# KiCad board kup-lulz.kicad_pcb (continued)
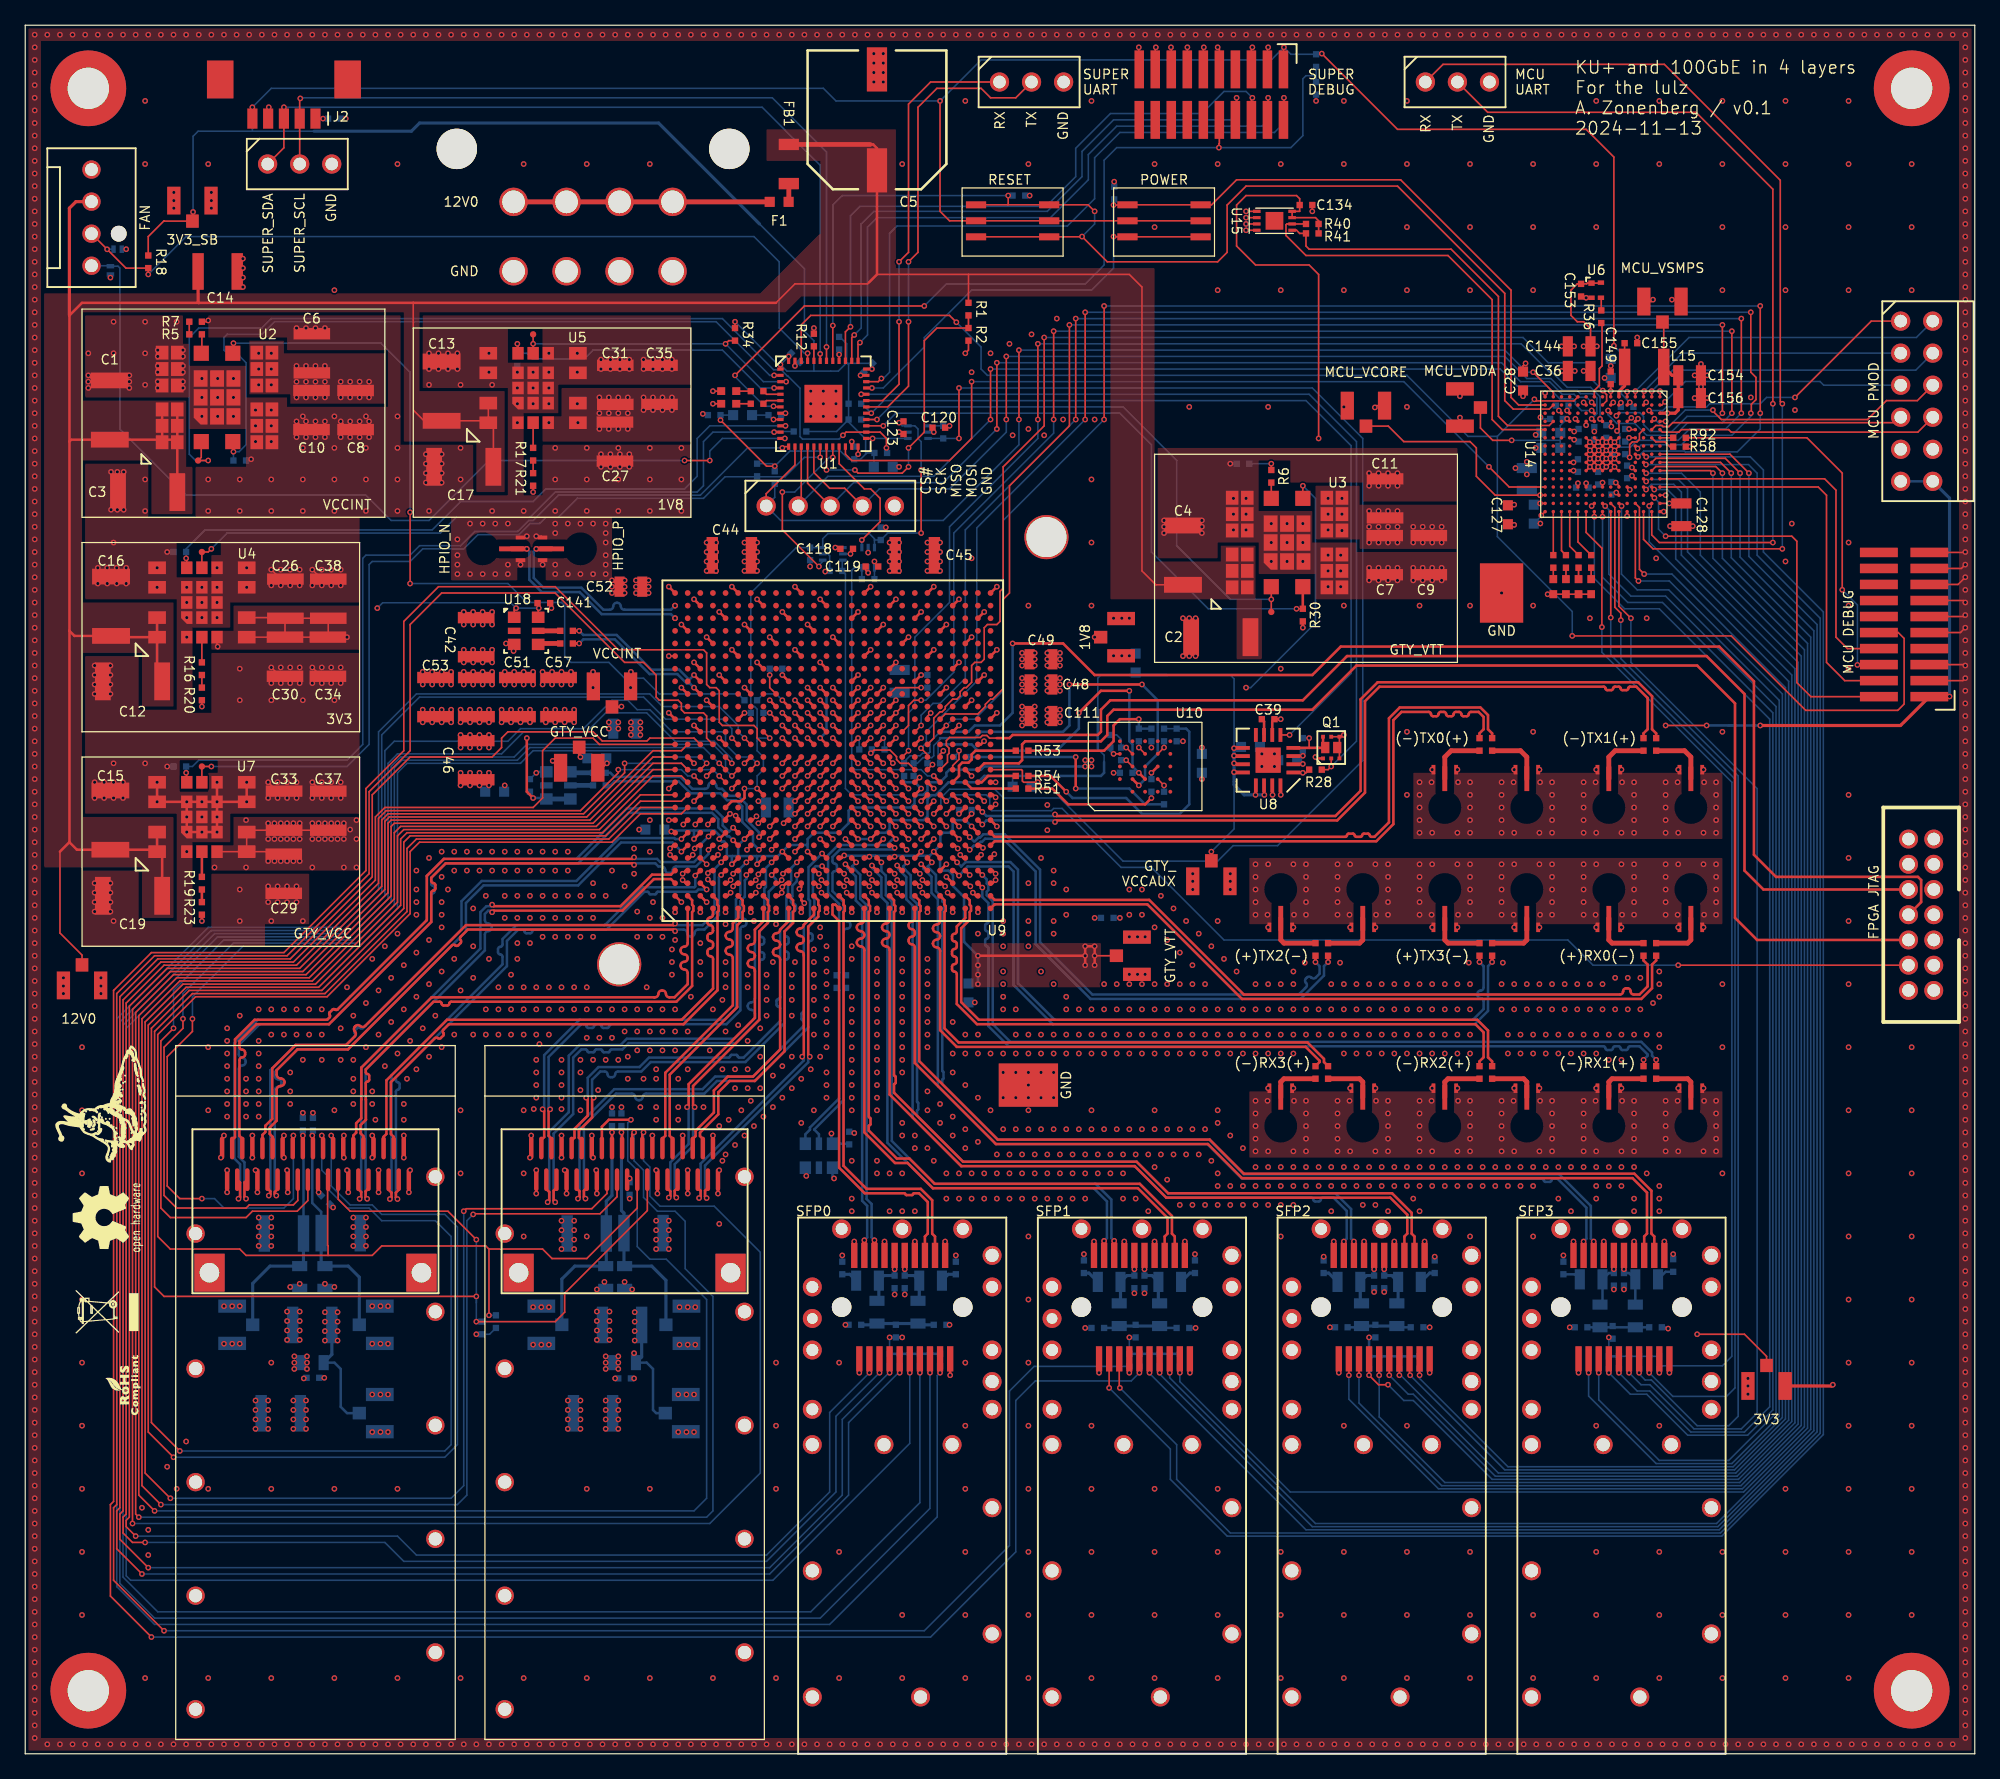
[diagram p0: board, top side]
## Routing (per net, layer and track width the routed paths; a pad name or vN(x,y) marks a point on that pad's centre or on a via; arc(x,y) is an arc through that point) (continued)
  Top w0.25: J33.15 v1(126.7,38.4)
  Bottom w0.2: L13.1 C114.1 127.1,38.1 C116.1
/SFP28 interfaces/SFP3_VDD_TX: length 4.2
  Top w0.25: J33.16 v1(125.9,38.4)
  Bottom w0.2: C117.1 125.5,38.1 C115.1 125,35.6
/SMPM ports/K_RX_0_N: length 58.7
  Top w0.2: C95.2 129.25,62.87 128.93,62.55 128.93,60.68 128.07,59.83 96.43,59.83 88.93,67.33 76.83,67.33 U9.AF1
/SMPM ports/K_RX_0_P: length 58.7
  Top w0.2: C96.2 128.25,62.87 128.57,62.55 128.57,60.82 127.93,60.17 127.47,60.17 arc(127.3,60.25) 127.23,60.42 127.23,60.43 arc(127.16,60.6) 126.99,60.67 126.87,60.67 arc(126.7,60.6) 126.63,60.43 126.63,60.42 arc(126.56,60.25) 126.39,60.17 96.57,60.17 89.07,67.67 76.83,67.67 U9.AF2
/SMPM ports/K_RX_1_N: length 67.2
  Top w0.2: U9.AE3 v1(75.85,68.65) ; C98.2 v1(128.25,55)
  Bottom w0.2: v1(75.85,68.65) 75.85,67.9 76.33,67.43 76.33,65.92 arc(76.29,65.84) 76.2,65.8 arc(76.11,65.76) 76.08,65.67 76.08,65.33 arc(76.11,65.24) 76.2,65.2 arc(76.29,65.16) 76.33,65.08 76.33,64.72 arc(76.29,64.64) 76.2,64.6 arc(76.11,64.56) 76.08,64.47 76.08,64.12 arc(76.11,64.04) 76.2,64 arc(76.29,63.96) 76.33,63.88 76.33,57.68 77.93,56.08 125.08,56.08 arc(125.18,56.03) 125.23,55.93 arc(125.27,55.82) 125.38,55.78 125.68,55.78 arc(125.78,55.82) 125.83,55.93 arc(125.87,56.03) 125.97,56.08 126.28,56.08 arc(126.38,56.03) 126.43,55.93 arc(126.47,55.82) 126.57,55.78 126.88,55.78 arc(126.98,55.82) 127.03,55.93 arc(127.07,56.03) 127.18,56.08 127.93,56.08 128.57,55.43 128.57,55.33 v1(128.25,55)
/SMPM ports/K_RX_1_P: length 67.2
  Top w0.2: U9.AE4 v1(75.85,69.65) ; C97.2 v1(129.25,55)
  Bottom w0.2: v1(75.85,69.65) 76.2,69.3 76.2,68.97 76.33,68.85 76.33,68.45 76.2,68.33 76.2,68.05 76.67,67.57 76.67,57.82 78.07,56.42 128.07,56.42 128.93,55.57 128.93,55.33 v1(129.25,55)
/SMPM ports/K_RX_2_N: length 54.6
  Top w0.2: C100.2 115.25,54.88 115.57,55.2 115.57,57.18 114.93,57.83 75.43,57.83 73.83,59.43 73.83,61.8 arc(73.77,61.93) 73.64,61.99 arc(73.5,62.04) 73.45,62.17 73.45,62.4 arc(73.5,62.53) 73.64,62.59 arc(73.77,62.64) 73.83,62.78 73.83,63 arc(73.77,63.13) 73.64,63.19 arc(73.5,63.24) 73.45,63.38 73.45,63.6 arc(73.5,63.73) 73.64,63.79 arc(73.77,63.84) 73.83,63.97 73.83,64.2 arc(73.77,64.33) 73.64,64.39 arc(73.5,64.44) 73.45,64.58 73.45,64.8 arc(73.5,64.93) 73.64,64.99 arc(73.77,65.04) 73.83,65.17 73.83,65.57 74.5,66.25 U9.AD1
/SMPM ports/K_RX_2_P: length 54.6
  Top w0.2: C99.2 116.25,54.88 115.93,55.2 115.93,57.32 115.07,58.17 75.57,58.17 74.17,59.57 74.17,65.43 74.85,66.1 74.85,66.71 74.95,66.81 74.95,67.19 74.85,67.29 74.85,67.65 U9.AD2
/SMPM ports/K_RX_3_N: length 42.6
  Top w0.2: C102.2 102.58,54.83 102.58,54.93 101.48,56.03 73.83,56.03 72.5,57.35 72.5,63.64 arc(72.42,63.84) 72.22,63.92 arc(72.02,64) 71.94,64.2 71.94,64.24 arc(72.02,64.44) 72.22,64.52 arc(72.42,64.6) 72.5,64.8 72.5,64.84 arc(72.42,65.04) 72.22,65.12 arc(72.02,65.2) 71.94,65.4 71.94,65.44 arc(72.02,65.64) 72.22,65.72 arc(72.42,65.8) 72.5,66 U9.AB1
/SMPM ports/K_RX_3_P: length 42.5
  Top w0.2: U9.AB2 72.85,67.65 72.85,67.29 72.95,67.19 72.95,66.81 72.85,66.71 72.85,57.5 73.97,56.38 101.62,56.38 102.92,55.07 102.92,54.83 C101.2
/SMPM ports/K_TX_0_N: length 51.4
  Top w0.2: U9.AF6 76.83,72.33 107.07,72.33 108.43,73.68 108.43,81.93 109.07,82.58 111.23,82.58 arc(111.35,82.52) 111.4,82.4 arc(111.45,82.28) 111.57,82.23 111.83,82.23 arc(111.95,82.28) 112,82.4 arc(112.05,82.52) 112.18,82.58 112.43,82.58 arc(112.55,82.52) 112.6,82.4 arc(112.65,82.28) 112.78,82.23 113.03,82.23 arc(113.15,82.28) 113.2,82.4 arc(113.25,82.52) 113.38,82.58 113.63,82.58 arc(113.75,82.52) 113.8,82.4 arc(113.85,82.28) 113.97,82.23 114.23,82.23 arc(114.35,82.28) 114.4,82.4 arc(114.45,82.52) 114.57,82.58 115.18,82.58 115.57,82.18 115.57,81.2 115.25,80.88 C103.2
/SMPM ports/K_TX_0_P: length 51.4
  Top w0.2: C104.2 116.25,80.88 115.93,81.2 115.93,82.32 115.32,82.92 108.93,82.92 108.07,82.07 108.07,73.82 106.93,72.67 106.67,72.67 arc(106.59,72.71) 106.55,72.8 arc(106.51,72.89) 106.42,72.92 106.08,72.92 arc(105.99,72.89) 105.95,72.8 arc(105.91,72.71) 105.83,72.67 105.47,72.67 arc(105.39,72.71) 105.35,72.8 arc(105.31,72.89) 105.22,72.92 104.88,72.92 arc(104.79,72.89) 104.75,72.8 arc(104.71,72.71) 104.62,72.67 76.83,72.67 U9.AF7
/SMPM ports/K_TX_1_N: length 66.4
  Top w0.2: U9.AE8 v1(75.85,73.65) ; v1(81.61,73.85) 81.73,73.97 103.97,73.97 106.17,76.18 106.17,83.43 107.32,84.58 125.1,84.58 arc(125.2,84.53) 125.24,84.44 arc(125.28,84.34) 125.38,84.3 125.7,84.3 arc(125.8,84.34) 125.84,84.44 arc(125.88,84.53) 125.97,84.58 126.3,84.58 arc(126.4,84.53) 126.44,84.44 arc(126.48,84.34) 126.57,84.3 126.9,84.3 arc(127,84.34) 127.04,84.44 arc(127.08,84.53) 127.18,84.58 127.68,84.58 128.57,83.68 128.57,81.2 128.25,80.88 C105.2
  Bottom w0.2: v1(75.85,73.65) 76.17,73.97 81.48,73.97 v1(81.61,73.85)
/SMPM ports/K_TX_1_P: length 66.4
  Top w0.2: v1(81.61,74.45) 81.73,74.33 103.83,74.33 105.83,76.32 105.83,83.57 107.18,84.92 127.82,84.92 128.93,83.82 128.93,81.2 129.25,80.88 C106.2 ; U9.AE9 v1(75.85,74.65)
  Bottom w0.2: v1(81.61,74.45) 81.48,74.33 76.17,74.33 v1(75.85,74.65)
/SMPM ports/K_TX_2_N: length 40
  Top w0.2: C107.2 v1(103.25,62.75) ; U9.AD6 v1(74.85,71.65)
  Bottom w0.2: v1(74.85,71.65) 75.17,71.97 75.4,71.97 75.7,72.28 75.82,72.28 76.07,72.53 77.48,72.53 80.08,69.93 80.08,64.18 84.43,59.83 101.07,59.83 102.92,61.68 102.92,62.42 v1(103.25,62.75)
/SMPM ports/K_TX_2_P: length 40
  Top w0.2: C108.2 v1(102.25,62.75) ; U9.AD7 v1(74.85,72.65)
  Bottom w0.2: v1(74.85,72.65) 75.17,72.33 75.26,72.33 75.56,72.62 75.68,72.62 75.93,72.88 77.62,72.88 80.42,70.07 80.42,64.32 84.57,60.17 100.93,60.17 101.5,60.75 arc(101.57,60.92) 101.5,61.09 101.49,61.1 arc(101.42,61.27) 101.49,61.44 101.58,61.53 arc(101.75,61.6) 101.92,61.53 101.93,61.52 arc(102.1,61.45) 102.27,61.52 102.58,61.82 102.58,62.42 v1(102.25,62.75)
/SMPM ports/K_TX_3_N: length 58.2
  Top w0.2: 73.6,70 v1(74,69.6)
  Top w0.25: C109.2 v1(116.25,62.75)
  Bottom w0.2: v1(116.25,62.75) 115.93,62.42 115.93,58.88 114.87,57.83 81.43,57.83 78.33,60.93 78.33,69.93 77.93,70.33 74.67,70.33 74.32,69.97 74.32,69.92 v1(74,69.6)
/SMPM ports/K_TX_3_P: length 58.2
  Top w0.2: U9.AC5 v1(73.85,70.65)
  Top w0.25: C110.2 v1(115.25,62.75)
  Bottom w0.2: v1(73.85,70.65) 74.17,70.33 74.18,70.33 74.53,70.67 78.07,70.67 78.67,70.07 78.67,61.07 81.57,58.17 114.73,58.17 115.57,59.02 115.57,59.65 arc(115.5,59.82) 115.34,59.89 115.33,59.89 arc(115.16,59.96) 115.09,60.13 115.09,60.25 arc(115.16,60.42) 115.33,60.49 115.34,60.49 arc(115.5,60.56) 115.57,60.73 115.57,62.42 v1(115.25,62.75)
Net-(C63-Pad2): length 1.4
  Bottom w0.25: C63.2 111.3,38.1 R63.2
Net-(C64-Pad2): length 1.4
  Bottom w0.25: C64.2 103.3,38.1 R64.2
Net-(C69-Pad2): length 1.4
  Bottom w0.25: C69.2 92.3,38.1 R70.2
Net-(C70-Pad2): length 1.4
  Bottom w0.25: C70.2 84.3,38.1 R71.2
Net-(C75-Pad2): length 1.3
  Bottom w0.25: R77.2 73.15,38 C75.2
Net-(C76-Pad2): length 1.3
  Bottom w0.25: R78.2 65.35,38 C76.2
Net-(C114-Pad2): length 1.4
  Bottom w0.2: C114.2 130,38.2 R85.2
Net-(C115-Pad2): length 1.5
  Bottom w0.2: C115.2 122.8,38 R86.2
Net-(D1-A): length 1
  Top w0.125: R13.1 56.5,108
Net-(D2-A): length 1.2
  Top w0.125: R14.1 D2.2
Net-(D5-A): length 0.9
  Top w0.125: R59.2 D5.2
Net-(D6-A): length 0.9
  Top w0.125: R93.2 D6.2
Net-(D7-A): length 0.9
  Top w0.125: R98.2 D7.2
Net-(D8-A): length 0.9
  Top w0.125: R99.2 D8.2
Net-(F1-Pad2): length 1.4
  Top w0.38: FB1.1 60.51,123.01
Net-(J1-12V0_SENSE): length 20.3
  Top w0.38: J1.1 F1.1
Net-(J5-P2): length 5.1
  Top w0.125: U9.Y12 70,78.5 69.35,78.5 69.05,78.8 69.05,79.03 68.53,79.55 67.26,79.55 v1(67.01,79.3)
  Bottom w0.125: v1(67.01,79.3) 67.1,79.39 J5.2 67.1,79.22
Net-(J17-In): length 4.6
  Top w0.38: J17.1 132,64.5 131.75,64.25 C95.1
Net-(J18-In): length 4.6
  Top w0.38: C96.1 125.75,64.25 125.5,64.5 J18.1
Net-(J19-In): length 4.1
  Top w0.38: J19.1 132,53.25 131.75,53.5 C97.1
Net-(J20-In): length 4.1
  Top w0.38: J20.1 125.5,53.25 125.75,53.5 C98.1
Net-(J21-In): length 4.1
  Top w0.38: C99.1 118.75,53.5 119,53.25 J21.1
Net-(J22-In): length 4.1
  Top w0.38: J22.1 112.5,53.25 112.75,53.5 C100.1
Net-(J23-In): length 4.1
  Top w0.38: J23.1 106,53.25 105.75,53.5 C101.1
Net-(J24-In): length 4.1
  Top w0.38: J24.1 99.5,53.25 99.75,53.5 C102.1
Net-(J25-In): length 4.7
  Top w0.38: C103.1 113,79.5 112.5,79 J25.1
Net-(J26-In): length 4.7
  Top w0.38: J26.1 119,79 118.5,79.5 C104.1
Net-(J27-In): length 4.7
  Top w0.38: J27.1 125.5,79 126,79.5 C105.1
Net-(J28-In): length 4.7
  Top w0.38: C106.1 131.5,79.5 132,79 J28.1
Net-(J29-In): length 4.6
  Top w0.38: C107.1 105.75,64.25 106,64.5 J29.1
Net-(J30-In): length 4.6
  Top w0.38: J30.1 99.5,64.5 99.75,64.25 C108.1
Net-(J31-In): length 4.6
  Top w0.38: C109.1 118.75,64.25 119,64.5 J31.1
Net-(J32-In): length 4.6
  Top w0.38: C110.1 112.75,64.25 112.5,64.5 J32.1
Net-(R5-Pad2): length 1
  Top w0.125: R7.2 R5.2
Net-(R6-Pad2): length 2.2
  Top w0.125: v1(98.75,102.25) R6.2
  Bottom w0.125: R8.2 v1(98.75,102.25)
Net-(R16-Pad2): length 1
  Top w0.125: R16.2 R20.2
Net-(R17-Pad2): length 1
  Top w0.125: R17.2 R21.2
Net-(R19-Pad2): length 1
  Top w0.2: R19.2 R23.2
Net-(U2-TRIM): length 1.5
  Top w0.125: R5.1 14,111.05
Net-(U3-TRIM): length 1.2
  Top w0.125: R6.1 U3.22
Net-(U4-TRIM): length 2
  Top w0.125: U4.4 R16.1
Net-(U5-TRIM): length 2
  Top w0.125: U5.4 R17.1
Net-(U6-CLK): length 1
  Top w0.125: R36.2 124.9,115.38
Net-(U7-TRIM): length 2
  Top w0.2: U7.4 R19.1
Net-(U8-SS): length 1.3
  Top w0.2: U8.7 98.17,81.83 C39.1
Net-(U9A-CCLK_0): length 0.8
  Top w0.2: U9.Y11 v1(70.88,77.38)
  Bottom w0.2: v1(70.88,77.38) 70.62,77.38
Net-(U9A-D00_MOSI_0): length 4.2
  Top w0.2: U9.AD11 75,76.5 R51.1
Net-(U9A-D01_DIN_0): length 2.4
  Top w0.125: U9.AC12 73.5,78.32 74,78.82 v1(74,79.5)
  Bottom w0.125: R52.1 74,79.4 v1(74,79.5)
Net-(U9A-D02_0): length 6.5
  Top w0.2: U9.AC11 74,77.5 74,78.3 74.25,78.55 74.75,78.55 75,78.8 75,79.2 75.3,79.5 78.25,79.5
Net-(U9A-D03_0): length 3.2
  Top w0.2: R54.1 76.3,77.5 75.8,77 U9.AE11
Net-(U9A-RDWR_FCS_B_0): length 0.9
  Top w0.125: U9.AA12 v1(71.9,78.4)
  Bottom w0.125: v1(71.9,78.4) 71.6,78.4
Net-(U9A-TDO_0): length 2.7
  Top w0.2: U9.Y10 v1(71,76.5)
  Bottom w0.2: v1(71,76.5) 70.5,77 69.75,77 69.6,77.15 69.6,77.5
Net-(U9D-VREF_67): length 1.2
  Top w0.125: U9.J16 v1(59,82.5)
  Bottom w0.125: v1(59,82.5) R95.2
Net-(U9E-VREF_66): length 2.2
  Top w0.125: U9.J18 59,84.5 v1(59,85.5)
  Bottom w0.125: R96.2 v1(59,85.5)
Net-(U9F-VREF_65): length 3.2
  Top w0.125: v1(71,84.5) 69,84.5 U9.V18
  Bottom w0.125: R97.2 v1(71,84.5)
Net-(U9K-MGTRREF_R): length 0.7
  Top w0.2: U9.AD9 v1(74,74.5)
Net-(U10-MISO/DQ1): length 1.2
  Top w0.125: U10.D2 v1(90.25,76.75)
  Bottom w0.125: v1(90.25,76.75) R46.1
Net-(U10-MOSI/DQ0): length 1.2
  Top w0.2: U10.D3 v1(89.25,77.75)
  Bottom w0.2: R45.1 v1(89.25,77.75)
Net-(U10-RESET_N): length 1.1
  Top w0.125: U10.A4 v1(86.25,79.25)
  Bottom w0.2: R43.2 86,79.5 v1(86.25,79.25)
Net-(U10-RESET_N/DQ3): length 1.2
  Top w0.125: U10.D4 v1(90.25,79.75)
  Bottom w0.125: v1(90.25,79.75) R48.1
Net-(U10-WP_N/DQ2): length 1.2
  Top w0.125: U10.C4 v1(88.25,79.75)
  Bottom w0.125: v1(88.25,79.75) R47.1
Net-(U14B-PB3): length 1
  Top w0.125: U14.A6 R92.2

## Copper pours and planes (outline as drawn; the poured copper is in the pictures)
/3V3 on Top: 26.5,87.5 14.75,87.5 14.75,89 16.5,89 16.5,91 26.5,91
/3V3 on Bottom: 56.75,76.25 59.5,76.25 59.5,81.5 57.75,81.5 57.75,77.5 56.75,77.5
/3V3 on In2.Cu: 125.25,88 125.25,81.75 130.25,81.75 133.5,78.5 133.5,31.5 50.5,31.5 50.5,25.25 20.5,25.25 20.5,31.5 9.5,31.5 9.5,58.25 1.5,58.25 1.5,96 29.5,96 29.5,81 47.5,81 47.5,82.25 49.5,82.25 49.5,81 56.5,81 56.5,81.5 58.5,81.5 58.5,80 37.5,80 37.5,78.5 5,78.5 5,64 12,64 11.75,36.25 19.25,36.25 19.25,39 22.5,39 22.5,32.25 24,32.25 24,39 46,39 46,32 48.5,32 48.5,39 59,39 59,46.25 63.5,46.25 63.5,49.5 65,49.5 65,34 130,34 130,78.75 120.5,78.75 120.5,84.5 106,84.5 106,74.5 98.5,74.5 98.5,84.25 102.75,88 113,88 113,100.75 93.5,100.75 93.5,80.75 86.5,80.75 86.5,80.25 71,80.25 71,82 78.75,82 78.75,83.5 80.75,83.5 80.75,87.75 88.75,87.75 88.75,102.75 101.75,102.75 101.75,104.5 103,104.5 103,102.75 118.25,102.75 118.25,111.75 133.5,111.75 133.5,99.5 131.75,99.5 131.75,95.75 114.25,95.75 114.25,88
/3V3_SB on Bottom: 59.75,111.5 59.75,109.5 64.75,109.5 64.75,101.25 68,101.25 68,111.5
/12V0 on Top: 69,117.75 89.5,117.75 89.5,94.5 94.75,94.5 94.75,95.75 97.5,95.75 97.5,91.5 98,91.5 98,86.75 96,86.75 96,91.5 86,91.5 86,115.5 61.5,115.5 60.25,114.25 31.25,114.25 31.25,108 38,108 38,100 35.75,100 35.75,104 30,104 30,114.25 4.5,114.25 4.5,107.25 12.75,107.25 12.75,102 13.25,102 13.25,98.25 10,98.25 10,102.5 4.5,102.5 4.5,91.25 11.75,91.25 11.75,83 9.25,83 9.25,87.25 4.5,87.25 4.5,74.25 11.75,74.25 11.75,66.25 9.25,66.25 9.25,70.25 1.5,70.25 1.5,115.75 58.25,115.75 63,120.5 63,126.25 58.75,126.25 58.75,128.75 69,128.75
/FPGA support/1V8 on Top: 52.75,104 41,104 41,106 42.5,106 42.5,108.25 52.75,108.25
/FPGA support/1V8 on In2.Cu: 144.25,128.75 144.25,78.5 153,78.5 153,59.5 146.75,59.5 146.75,77 143,77 143,126.5 74,126.5 74,90.5 88.5,90.5 88.5,88 80.5,88 80.5,83.75 78.5,83.75 78.5,82.25 70.75,82.25 70.75,80 86.75,80 86.75,80.5 93.5,80.5 93.5,77.25 85.25,77.25 85.25,79.25 83.25,79.25 83.25,76.75 74.5,76.75 74.5,74.25 69.75,74.25 69.75,83.75 54.5,83.75 54.5,83.25 53,83.25 53,84.5 50.25,84.5 48.5,86.25 41,86.25 41,108 52.75,108 52.75,96.75 72.5,96.75 72.5,128.75
/FPGA support/VCCINT on Top: 20.5,111 28.5,111 28.5,107 21,107 21,107.75 17.75,107.75 17.75,112 20.5,112
/FPGA support/VCCINT on In2.Cu: 40.75,86 48.5,86 50.25,84.25 52.75,84.25 52.75,83 54.75,83 54.75,83.5 69.5,83.5 69.5,74.25 59.75,74.25 59.75,80 58.75,80 58.75,81.75 56.25,81.75 56.25,81.25 49.75,81.25 49.75,82.5 47.25,82.5 47.25,81.25 29.75,81.25 29.75,96.25 17.5,96.25 17.5,114 40.75,114
/GND on Top: 12.5,111.75 13,111.75 13,110 17.5,110 17.5,107.5 20.75,107.5 20.75,106.75 28.75,106.75 28.75,111.25 20.75,111.25 20.75,112.25 14.5,112.25 14.5,114 29.75,114 29.75,103.75 35.5,103.75 35.5,99.75 38.25,99.75 38.25,108.25 31.5,108.25 31.5,114 52.75,114 52.75,108.5 42.25,108.5 42.25,106.25 39.5,106.25 39.5,99.75 41,99.75 41,103.75 52.75,103.75 52.75,98 46.5,98 46.5,93 41.25,93 41.25,94 39,94 39,93 33.75,93 33.75,98 26.5,98 26.5,91.25 16.25,91.25 16.25,89.25 13.25,89.25 13.25,82.5 14.75,82.5 14.75,87.25 26.5,87.25 26.5,74.5 16.25,74.5 16.25,72.25 13.25,72.25 13.25,65.5 14.75,65.5 14.75,69.75 22.5,69.75 22.5,65.75 19,65.75 19,64 4.5,64 4.5,70 9,70 9,66 12,66 12,74.5 4.75,74.5 4.75,87 9,87 9,82.75 12,82.75 12,91.5 4.75,91.5 4.75,102.25 9.75,102.25 9.75,98 13.5,98 13.5,102 17.5,102 17.5,105 13,105 13,107.5 4.75,107.5 4.75,114 12.5,114 ; 3 cut-outs
/GND on Top: 134.5,47.25 97,47.25 97,52.5 134.5,52.5
/GND on Top: 134.5,65.75 97,65.75 97,71 134.5,71
/GND on Top: 134.5,72.5 110,72.5 110,77.75 134.5,77.75
/GND on Top: 113.5,99.25 106,99.25 106,100.75 100.25,100.75 100.25,102.5 97.75,102.5 97.75,98.5 102,98.5 102,96 105.5,96 105.5,95.25 113.5,95.25 113.5,91.5 102.25,91.5 102.25,93.5 97.75,93.5 97.75,96 94.5,96 94.5,94.75 89.75,94.75 89.75,103.5 113.5,103.5
/GND on Top, Bottom: 154.25,0.25 0.25,0.25 0.25,136.75 154.25,136.75 ; 1 cut-out
/GND on In1.Cu: 154.25,0.25 0.25,0.25 0.25,136.75 154.25,136.75 ; 26 cut-outs
/GND on In1.Cu: 154.25,0.25 0.25,0.25 0.25,136.75 154.25,136.75 ; 34 cut-outs
/GND on In2.Cu: 154.25,0.25 0.25,0.25 0.25,136.75 154.25,136.75 ; 1 cut-out
/GND on In2.Cu: 112.75,88.25 102.5,88.25 98.25,84.5 98.25,74.25 106.25,74.25 106.25,84.25 120.25,84.25 120.25,78.5 129.75,78.5 129.75,34.25 65.25,34.25 65.25,49.75 63.25,49.75 63.25,46.5 58.75,46.5 58.75,39.25 48.5,39.25 48.5,46.25 46,46.25 46,39.25 24,39.25 24,45 22.5,45 22.5,39.25 19,39.25 19,36.5 12,36.5 12.25,64.25 5.25,64.25 5.25,78.25 15.75,78.25 15.75,72.25 14.75,72.25 14.75,69.75 27.25,69.75 27.25,75 39.75,75 39.75,78.5 58.25,78.5 58.25,72.25 74.75,72.25 74.75,76.5 83.25,76.5 83.25,62 86.25,62 86.25,74.25 96.25,74.25 96.25,95.25 112.75,95.25 ; 4 cut-outs
/FPGA support/GTY_VCC on Top: 26.5,70 14.75,70 14.75,72 16.5,72 16.5,74.25 26.5,74.25
/FPGA support/GTY_VCC on In2.Cu: 59.5,74 74.5,74 74.5,72.5 58.5,72.5 58.5,78.75 39.5,78.75 39.5,75.25 27,75.25 27,70 15,70 15,72 16,72 16,78.25 37.75,78.25 37.75,79.75 59.5,79.75
/FPGA support/GTY_VCCAUX on Bottom: 96.25,76.5 98.5,76.5 98.5,75.5 96.25,75.5 96.25,72.5 95.5,72.5 94.25,71.25 93.5,71.25 93.5,73.5 95.5,73.5 95.5,85.25 85.5,85.25 85.5,79.25 86,79.25 86,76.75 73.5,76.75 71.75,75 71.75,73.75 69.25,73.75 67.75,72.25 65.75,72.25 65.75,73.25 67.75,73.25 67.75,74.25 70.25,74.25 73.25,77.25 75.5,77.25 75.75,77.5 85,77.5 85,79.25 84.75,79.25 84.75,86.25 96.25,86.25
/GTY_VTT on Top: 105.75,99 113.5,99 113.5,95.5 105.75,95.5 105.75,96.25 102.25,96.25 102.25,100.5 105.75,100.5
/GTY_VTT on Top: 85.25,60.75 75,60.75 75,64.25 85.25,64.25
/GTY_VTT on Bottom: 75.5,73 74.25,73 74.25,72.5 73,72.5 73,70.25 73.75,70.25 73.75,69 74.75,68 74.75,64.75 75.75,63.75 75.75,60.5 74,60.5 74,65 73.25,65.75 73.25,68.5 72.75,68.5 72.75,69.75 72.25,70.25 72.25,70.75 64.75,70.75 64.75,71.5 71.5,71.5 71.5,73.5 73.25,73.5 73.25,74.75 75.5,74.75
/GTY_VTT on Bottom: 84.75,77.75 75.75,77.75 75.5,77.5 73,77.5 71.25,75.75 71.25,75.5 70.25,74.5 67.5,74.5 67.5,73.75 65.5,73.75 65.5,73 65,72.5 64,72.5 63.5,72 62.5,72 62.5,71.5 62,71 58.5,71 58.5,70.25 57.5,70.25 57.5,70.75 56.5,70.75 56.5,70 55.5,70 55.5,71 54.5,71 54.5,73 53.25,73 53.25,72.25 52.5,72.25 52.5,72.75 50.75,72.75 50.75,73.5 54.5,73.5 55.75,72.25 55.75,72 56.5,72 56.5,72.75 57.75,72.75 57.75,71.5 58.75,71.5 58.75,74 64.5,74 64.5,75.5 69.5,75.5 71.75,78 73,78 73.25,78.25 75.75,78.25 76,78.5 83.5,78.5 83.5,79 84.75,79
/GTY_VTT on In2.Cu: 112.75,95.5 96,95.5 96,74.5 86,74.5 86,62.25 83.5,62.25 83.5,79 85,79 85,77 93.75,77 93.75,100.5 112.75,100.5
/Management/VCORE on In2.Cu: 129.5,106 129.5,105.25 132.25,105.25 132.25,101 129.25,101 129.25,97.75 121.25,97.75 121.25,100.25 119.5,100.25 119.5,99.25 120.75,99.25 120.75,97.25 130.75,97.25 130.75,99.25 130,99.25 130,100.25 132.75,100.25 132.75,106
/Management/VSMPS on In2.Cu: 126,108.25 126,106.5 129.5,106.5 129.5,106 132.75,106 132.75,100 130.25,100 130.25,99.5 131,99.5 131,97 120.5,97 120.5,99.25 119.25,99.25 119.25,95.75 131.75,95.75 131.75,99.5 133.5,99.5 133.5,108.25
/QSFP28 interface/QSFP0_VCCRX on In2.Cu: 23.75,32.5 22.75,32.5 22.75,44.75 23.75,44.75
/QSFP28 interface/QSFP1_VCCRX on In2.Cu: 48.25,32.25 46.25,32.25 46.25,46 48.25,46

## Text on the board
B.Silkscreen: VCC1 | VCCTX | VCCRX
F.Silkscreen: SFP0 | SFP1 | SUPER / UART | (+)TX2(-) | (-)RX3(+) | SFP2 | (-)TX0(+) | (+)TX3(-) | (-)RX2(+) | MCU / UART | SFP3 | (+)RX0(-) | (-)RX1(+) | (-)TX1(+) | 12V0 | 3V3_SB | RESET | POWER | SUPER / DEBUG | MCU_VCORE | MCU_VDDA | GND | MCU_VSMPS | 3V3 | GTY_VCC | VCCINT | 1V8 | GTY_ / VCCAUX | GTY_VTT | FAN | HPIO_N | HPIO_P | CS# / SCK / MISO / MOSI / GND | MCU DEBUG | MCU PMOD | FPGA JTAG | SUPER_SDA | SUPER_SCL | RX | TX | KU+ and 100GbE in 4 layers / For the lulz / A. Zonenberg / v0.1 / 2024-11-13
